# KiCad board MainPCBV3.kicad_pcb
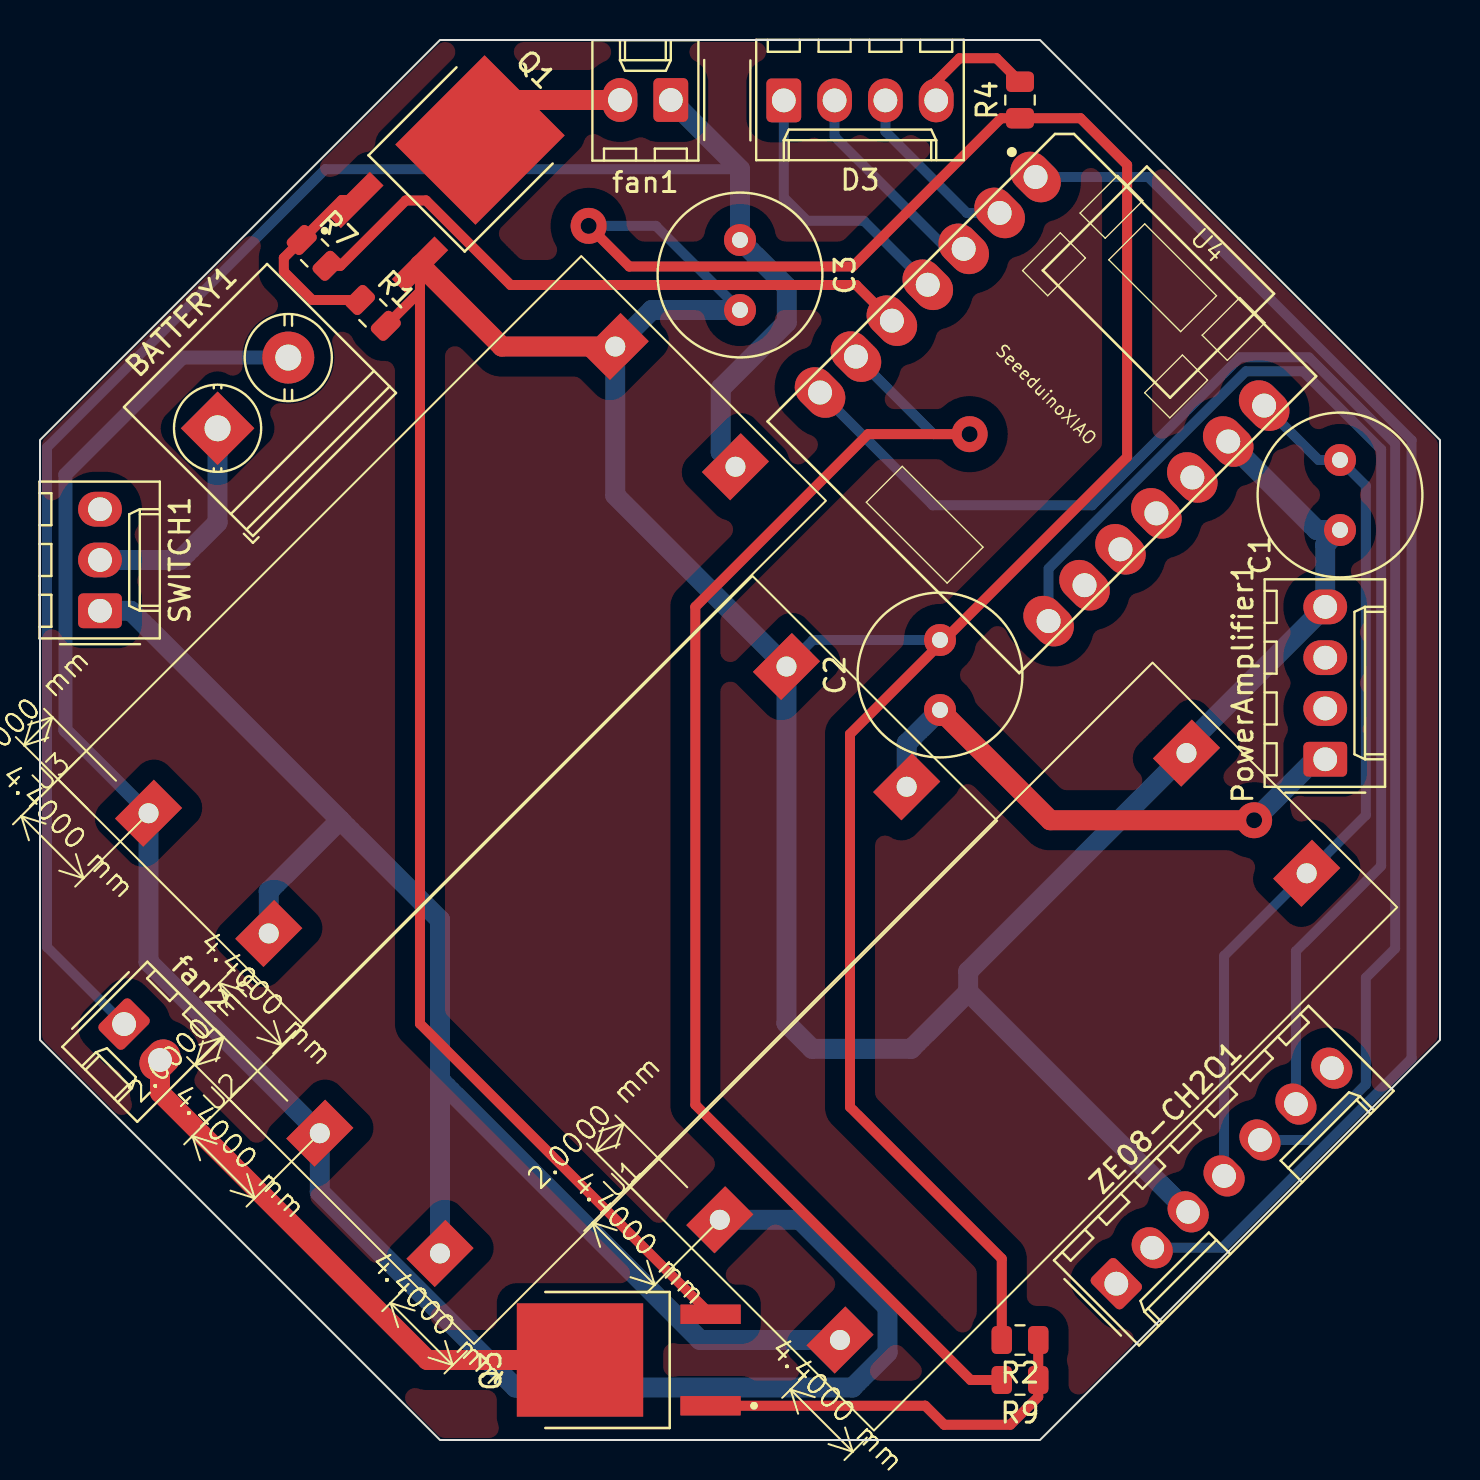
[diagram p0: board, top side]
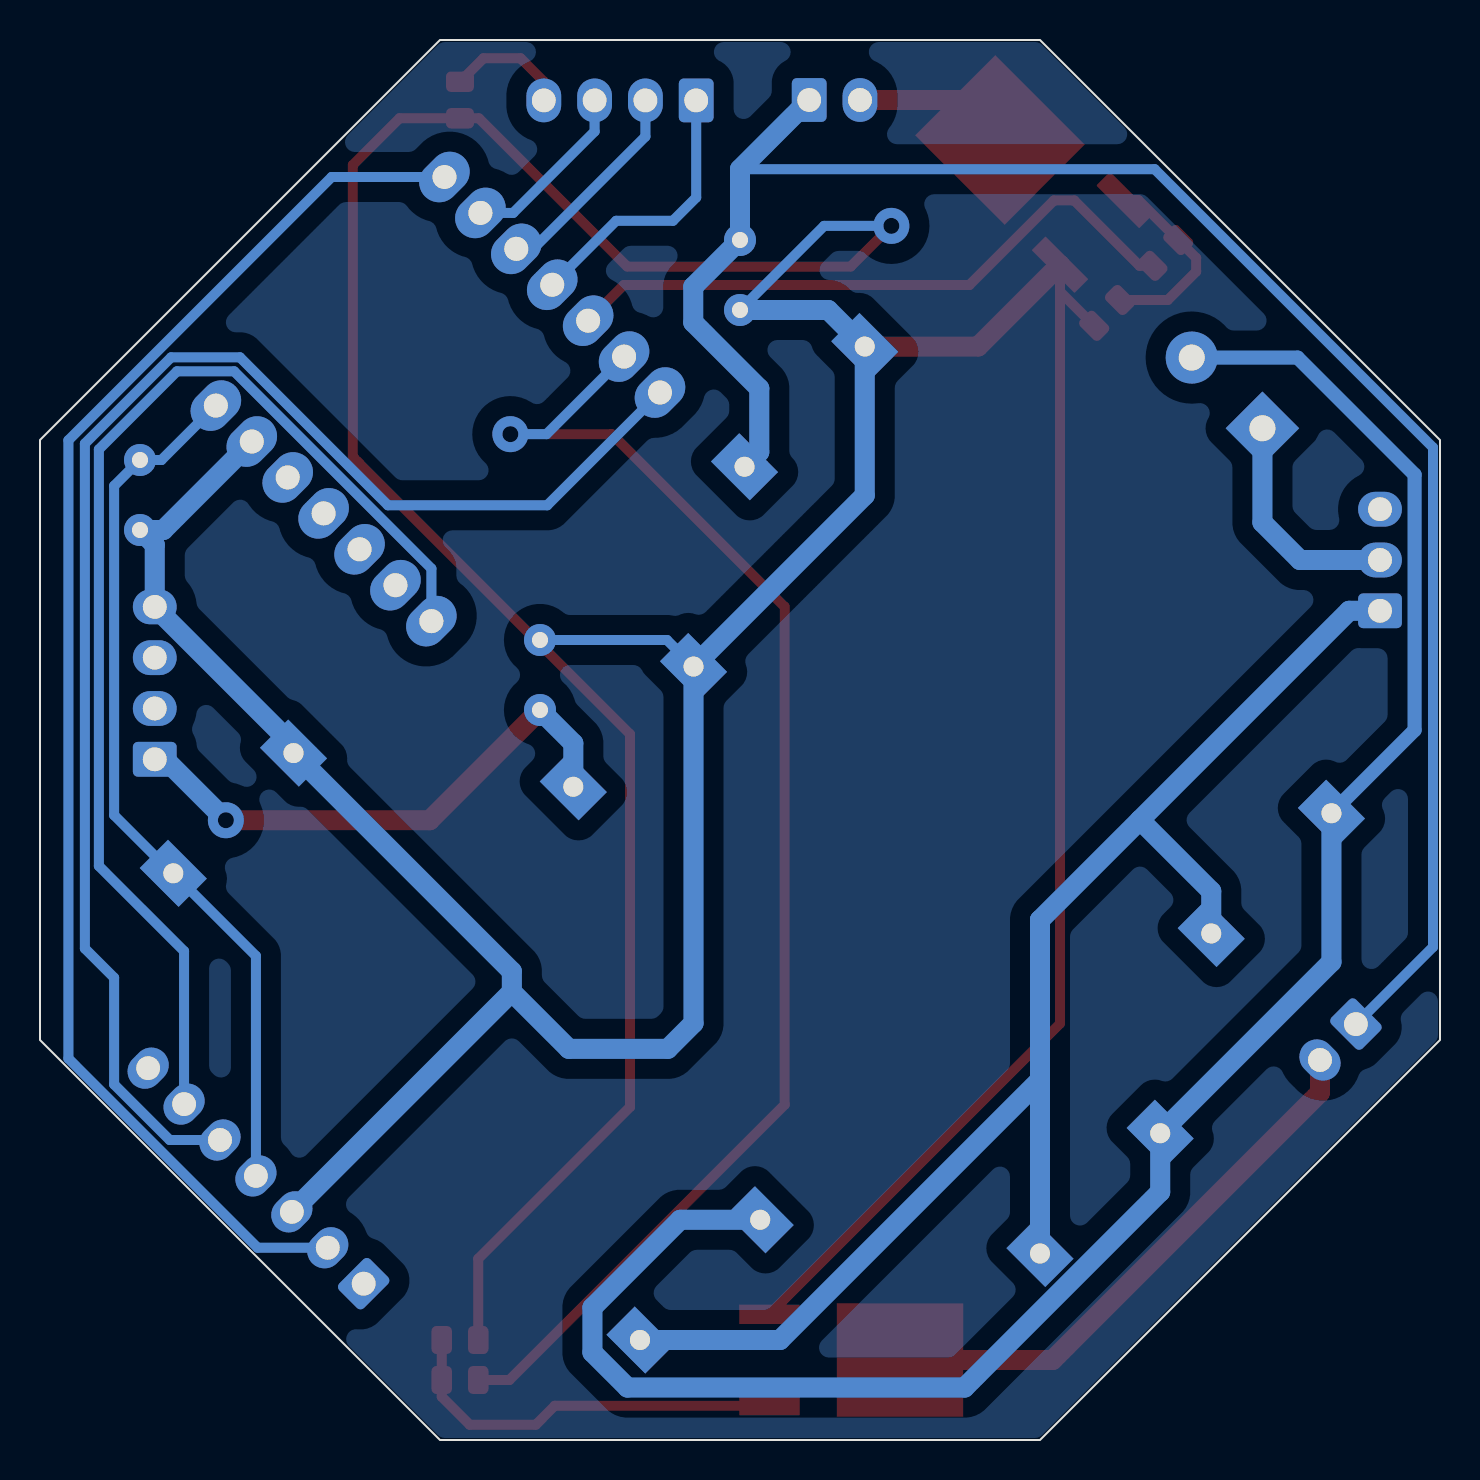
[diagram p1: board, bottom side, seen from below]

Outline 70 x 70 mm; copper layers: Top, Bottom. Coordinates in mm from the lower left corner of the outline.
Outline path: 0,50 20,70 50,70 70,50 70,20 50,0 20,0 0,20 closed
Stack: Top 0.035mm / dielectric 1.51mm FR4 er 4.5 / Bottom 0.035mm

## Placement (name value [footprint] x y rotation side)
BATTERY1  Screw_Terminal_01x02  [TerminalBlock_Phoenix_PT-1,5-2-5.0-H_1x02_P5.00mm_Horizontal]  8.88 50.59 45 top
C1  100uF  [C_Radial_D8.0mm_H7.0mm_P3.50mm]  65 49 270 top
C2  100uF  [C_Radial_D8.0mm_H7.0mm_P3.50mm]  45 36.5 90 top
C3  100uF  [C_Radial_D8.0mm_H7.0mm_P3.50mm]  35 60 270 top
D3  LED_BRGK  [Molex_KK-254_AE-6410-04A_1x04_P2.54mm_Vertical]  37.19 66.98 0 top
fan1  Conn_01x02_Female  [Molex_KK-254_AE-6410-02A_1x02_P2.54mm_Vertical]  31.54 67 180 top
fan2  Conn_01x02_Female  [Molex_KK-254_AE-6410-02A_1x02_P2.54mm_Vertical]  4.2 20.8 315 top
PowerAmplifier1  Conn_01x04_Male  [Molex_KK-254_AE-6410-04A_1x04_P2.54mm_Vertical]  64.26 34.04 90 top
Q1  AOD4184A  [DPAK228P994X240-4N]  20.27 63.27 315 top
Q3  AOD4184A  [DPAK228P994X240-4N]  29.44 4 90 top
R1  100k  [R_0805_2012Metric]  16.65 56.35 315 top
R2  100k  [R_0805_2012Metric]  49 5 180 top
R4  100  [R_0805_2012Metric]  49 67 90 top
R7  1k  [R_0805_2012Metric]  13.73 59.35 315 top
R9  1k  [R_0805_2012Metric]  49 3 180 top
SWITCH1  SW_SPDT  [Molex_KK-254_AE-6410-03A_1x03_P2.54mm_Vertical]  3 41.46 90 top
U1  ~  [MT3608]  29.46 12.71 45 top
U2  ~  [MT3608]  9.46 17.03 45 top
U3  ~  [MT3608]  0.9 33.03 45 top
U4  SeeeduinoXIAO  [Seeeduino XIAO-MOUDLE14P-2.54-21X17.8MM]  36.38 50.93 315 top
ZE08-CH2O1  Conn_01x07_Female  [Molex_KK-254_AE-6410-07A_1x07_P2.54mm_Vertical]  53.82 7.82 45 top

## Library data of the parts
BATTERY1 = -: Description: Generic screw terminal, single row, 01x02, script generated (kicad-library-utils/schlib/autogen/connector/); ki_fp_filters: TerminalBlock*:*
C1-C3 = -: Description: Polarized capacitor; ki_fp_filters: CP_*
D3 = -: Description: RGB LED, blue/red/green/cathode; ki_fp_filters: LED* LED_SMD:* LED_THT:*
fan1 fan2 PowerAmplifier1 ZE08-CH2O1 = -: ki_fp_filters: Connector*:*_1x??_*
Q1 Q3 = -: Description: N-Channel 40V 13A (Ta), 50A (Tc) 2.3W (Ta), 50W (Tc) Surface Mount TO-252, (D-Pak); MF: Alpha &; MAXIMUM_PACKAGE_HEIGHT: 2.4mm; Package: TO-252 Alpha &amp; Omega Semiconductor; Price: None; Check_prices: https://www.snapeda.com/parts/AOD4184A/Alpha+%2526+Omega+Semiconductor+Inc./view-part/?ref=eda; STANDARD: IPC-7351B; PARTREV: 0; SnapEDA_Link: https://www.snapeda.com/parts/AOD4184A/Alpha+%2526+Omega+Semiconductor+Inc./view-part/?ref=snap; Availability: In Stock; MANUFACTURER: Alpha and Omega; Description_1: N-Channel 40V 13A (Ta), 50A (Tc) 2.3W (Ta), 50W (Tc) Surface Mount TO-252, (D-Pak)
R1 R2 R7 R9 = -: Description: Resistor, US symbol; ki_fp_filters: R_*
R4 = -: Description: Resistor, small US symbol; ki_fp_filters: R_*
SWITCH1 = -: Description: Switch, single pole double throw
U1-U3 = -: ki_fp_filters: MT3608

## Footprints (pads in the part's own frame, mm; a bottom-side part is the same pattern mirrored in y, then rotated)
C_Radial_D8.0mm_H7.0mm_P3.50mm
  round 1.6 hole 0.8: 1(0,0) 2(3.5,0)
DPAK228P994X240-4N
  rect 0.97x3.02 smd: 1(-2.286,-4.09) 3(2.286,-4.09)
  rect 5.67x6.32 smd: 4(0,2.44)
Molex_KK-254_AE-6410-02A_1x02_P2.54mm_Vertical
  rrect 1.74x2.19 hole 1.19: 1(0,0)
  oval 1.74x2.19 hole 1.19: 2(2.54,0)
Molex_KK-254_AE-6410-03A_1x03_P2.54mm_Vertical
  rrect 1.74x2.19 hole 1.19: 1(0,0)
  oval 1.74x2.19 hole 1.19: 2(2.54,0) 3(5.08,0)
Molex_KK-254_AE-6410-04A_1x04_P2.54mm_Vertical
  rrect 1.74x2.19 hole 1.19: 1(0,0)
  oval 1.74x2.19 hole 1.19: 2(2.54,0) 3(5.08,0) 4(7.62,0)
Molex_KK-254_AE-6410-07A_1x07_P2.54mm_Vertical
  rrect 1.74x2.19 hole 1.19: 1(0,0)
  oval 1.74x2.19 hole 1.19: 2(2.54,0) 3(5.08,0) 4(7.62,0) 5(10.16,0) 6(12.7,0) 7(15.24,0)
MT3608
  rect 2.748x1.999 hole 1: 1(2,-4.4) 2(2,-12.9) 3(35,-4.4) 4(35,-12.9)
R_0805_2012Metric
  rrect 1.025x1.4 smd: 1(-0.912,0) 2(0.912,0)
Seeeduino XIAO-MOUDLE14P-2.54-21X17.8MM
  oval 2.748x1.999 hole 1.2: 1(0.833,18.118) 2(0.833,15.578) 3(0.833,13.038) 4(0.833,10.498) 5(0.833,7.958) 6(0.833,5.418) 7(0.833,2.878) 8(16.998,2.878) 9(16.998,5.418) 10(16.998,7.958) 11(16.998,10.498) 12(16.998,13.038) 13(16.998,15.578) 14(16.998,18.118)
TerminalBlock_Phoenix_PT-1,5-2-5.0-H_1x02_P5.00mm_Horizontal
  rect 2.6x2.6 hole 1.3: 1(0,0)
  round 2.6 hole 1.3: 2(5,0)

## Nets
+5VA: C1.1 U1.4 U4.14 ZE08-CH2O1.4
+5VL: C2.1 PowerAmplifier1.1 U2.4
+12V: C3.1 fan1.1 fan2.1 U3.4
GND: C1.2 C2.2 C3.2 PowerAmplifier1.4 Q1.3 Q3.3 R1.2 R2.2 R4.1 U1.3 U2.3 U3.3 U4.13 ZE08-CH2O1.3
GND1: BATTERY1.2 U1.1 U2.1 U3.1
+BATT: SWITCH1.1 U1.2 U2.2 U3.2
DAC1: U4.1 ZE08-CH2O1.2
mosfet1: R7.2 U4.5
mosfet2: R9.2 U4.6
RXD: U4.7 ZE08-CH2O1.5
TXD: U4.8 ZE08-CH2O1.6
Net-(BATTERY1-Pin_1): BATTERY1.1 SWITCH1.2
Net-(D3-BA): D3.1 U4.4
Net-(D3-GA): D3.3 U4.2
Net-(D3-K): D3.4 R4.2
Net-(D3-RA): D3.2 U4.3
Net-(fan1-Pin_2): fan1.2 Q1.4
Net-(fan2-Pin_2): fan2.2 Q3.4
Net-(Q1-Pad1): Q1.1 R1.1 R7.1
Net-(Q3-Pad1): Q3.1 R2.1 R9.1

Pads without a net: PowerAmplifier1 2 3; SWITCH1 3; U4 9 10 11 12; ZE08-CH2O1 1 7

## Via types
v1: diameter 1.8, hole 0.8, Top to Bottom, 3 vias

## Routing (per net, layer and track width the routed paths; a pad name or vN(x,y) marks a point on that pad's centre or on a via; arc(x,y) is an arc through that point)
+5VA: length 44.2
  Bottom w0.5: U4.14 63.93,49 C1.1 66.29,47.71 66.29,31.24 63.39,28.33 U1.4 59.2,24.2 ZE08-CH2O1.4
+5VL: length 27.3
  Top w1: C2.1 50.51,30.99 v1(60.71,30.99)
  Bottom w0.5: PowerAmplifier1.1 63.75,34.04
  Bottom w1: U2.4 43.33,34.83 C2.1 ; 63.75,34.04 v1(60.71,30.99)
+12V: length 93.3
  Bottom w0.5: 35,63.54 14.26,63.54 0.35,49.63 0.35,24.65 fan2.1
  Bottom w1: U3.4 34.04,49.4 34.04,52.58 37.34,55.88 37.34,57.66 C3.1 35,63.54 fan1.1
GND: length 299.6
  Top w0.5: R1.2 19,57.42 Q1.3 19,20.82 Q3.3 ; R2.2 48.09,9.06 40.5,16.65 40.5,35.29 54.36,49.15 54.36,63.75 52.02,66.09 R4.1 48.05,66.09 40.64,58.67 29.46,58.67 v1(27.43,60.71)
  Top w1: U3.3 23.09,54.67 Q1.3
  Bottom w0.5: C2.2 38.65,40 U2.3 ; v1(27.43,60.71) 30.79,60.71 C3.2
  Bottom w1: 46.41,22.41 ZE08-CH2O1.3 ; 46.41,22.41 43.56,19.56 38.61,19.56 37.32,20.84 U2.3 28.76,47.23 U3.3 30.59,56.5 C3.2 ; 46.41,22.41 46.41,23.43 U1.3 57.32,34.72 PowerAmplifier1.4 64.26,44.76 C1.2 63.83,45.5 U4.13
GND1: length 100.3
  Bottom w0.7: U3.1 1.27,35.5 1.27,48.27 7.12,54.12 BATTERY1.2
  Bottom w1: U3.1 5.43,23.9 U2.1 13.99,12.4 23.77,2.62 40.62,2.62 42.38,4.38 42.38,6.62 37.99,11.01 U1.1
+BATT: length 80.6
  Bottom w1: 15,31 11.44,27.44 U3.2 ; 15,31 20,26 ; 15,31 4.54,41.46 SWITCH1.1 ; 20,26 U2.2 ; 20,26 20,18 33,5 U1.2
DAC1: length 72.1
  Bottom w0.5: U4.1 55.42,63.15 68.58,49.99 68.58,19.07 59.12,9.61 ZE08-CH2O1.2
mosfet1: length 32.1
  Top w0.5: R7.2 15.02,58.71 18.29,61.98 19.3,61.98 23.53,57.75 40.81,57.75 U4.5
mosfet2: length 70.5
  Top w0.5: v1(46.48,50.29) 41.4,50.29 32.77,41.66 32.77,16.76 46.53,3 R9.2
  Bottom w0.5: U4.6 44.67,50.29 v1(46.48,50.29)
RXD: length 75
  Bottom w0.5: ZE08-CH2O1.5 63.51,15 66.29,17.78 66.29,23.11 67.76,24.58 67.76,49.82 63.44,54.13 60,54.13 52.6,46.74 44.64,46.74 U4.7
TXD: length 59.5
  Bottom w0.5: ZE08-CH2O1.6 62.8,24.44 67.06,28.7 67.06,49.53 63.15,53.43 60.29,53.43 50.43,43.57 U4.8
Net-(BATTERY1-Pin_1): length 11.4
  Bottom w1: SWITCH1.2 7,44 8.88,45.88 BATTERY1.1
Net-(D3-BA): length 13.9
  Bottom w0.5: U4.4 41.19,60.96 38.35,60.96 37.19,62.12 D3.1
Net-(D3-GA): length 9
  Bottom w0.5: U4.2 46.34,61.35 42.27,65.43 D3.3
Net-(D3-K): length 6.1
  Top w0.5: D3.4 44.81,67.92 45.97,69.09 47.82,69.09 R4.2
Net-(D3-RA): length 10.6
  Bottom w0.5: U4.3 45.34,59.56 39.73,65.17 D3.2
Net-(fan1-Pin_2): length 7.8
  Top w0.5: 24,67 Q1.4
  Top w1: fan1.2 24,67
Net-(fan2-Pin_2): length 28.2
  Top w1: fan2.2 6,17.37 19.37,4 Q3.4
Net-(Q1-Pad1): length 9.9
  Top w0.5: R1.1 13.61,57 12.19,58.42 12.19,59.1 R7.1 15.09,62 Q1.1
Net-(Q3-Pad1): length 20.2
  Top w0.5: Q3.1 44.26,1.71 45.21,0.76 48.51,0.76 49.91,2.16 R9.1 R2.1

## Copper pours and planes (outline as drawn; the poured copper is in the pictures)
(no net) on Top, Bottom: 20,70 50,70 70,50 70,20 50,0 20,0 0,20 0,50
